# Altium PCB DM1097_R0M0E0.PcbDoc (part 6 of 7) (continued)
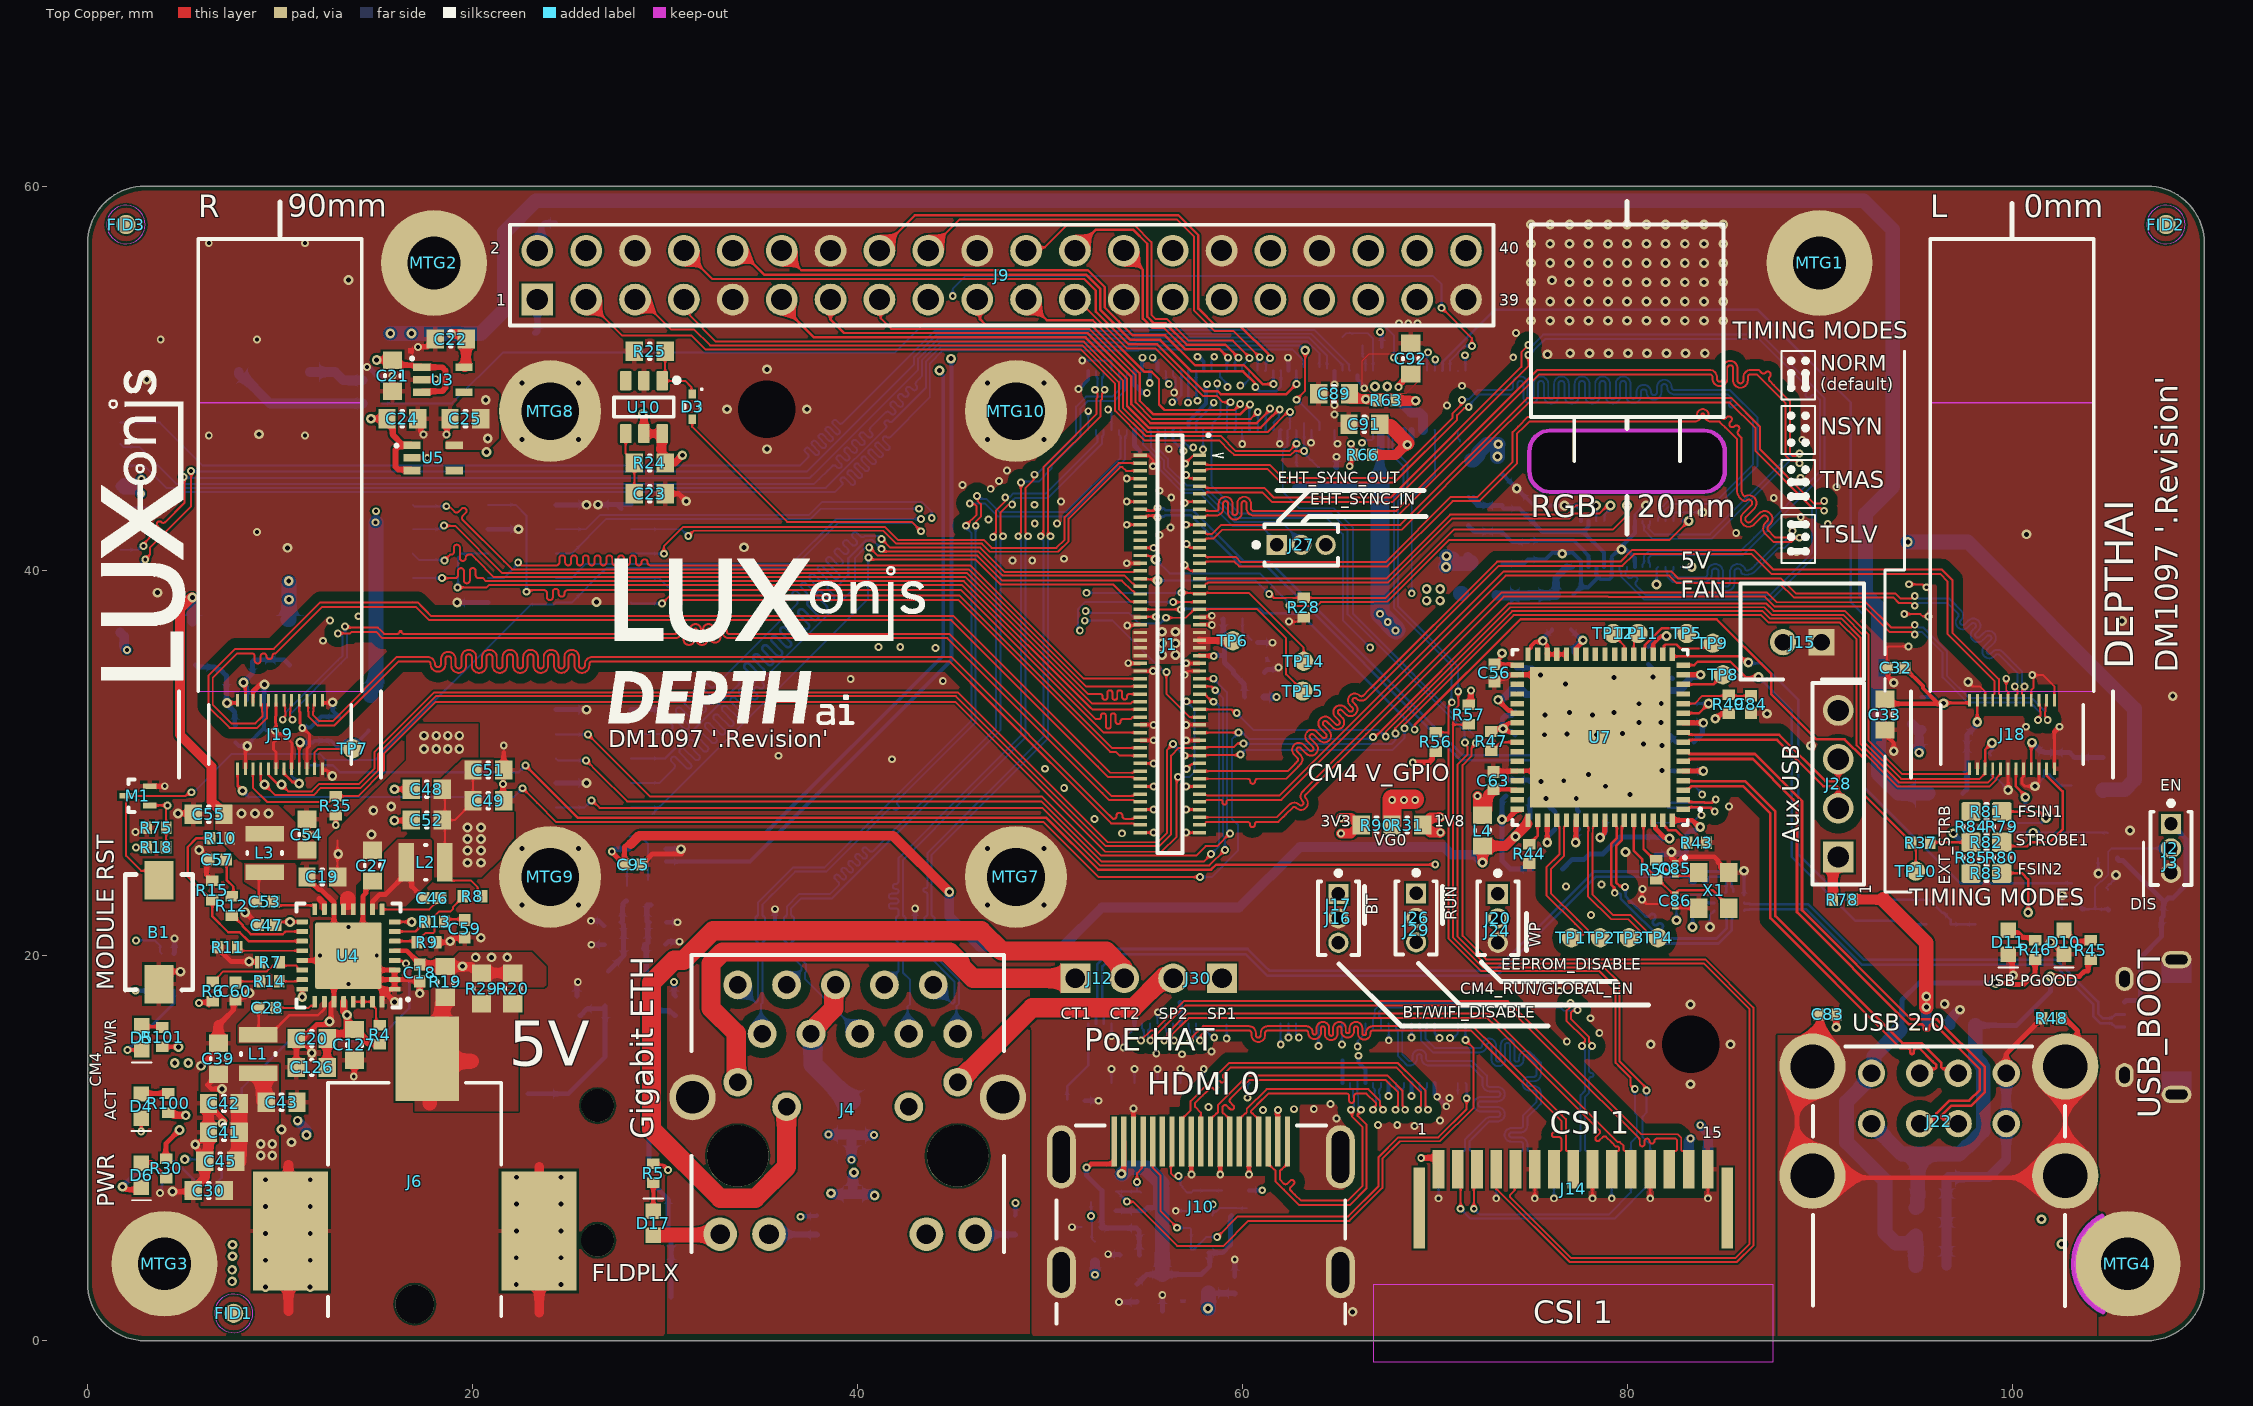
[diagram p0: Top Copper view]
## Nets (pads, with @x,y where several pads share a name; then routed paths per layer and width w, separated by ;. In a path a pad name is that pad's centre, name@x,y a point inside that pad or via, vN(x,y) a via of type N, cw(c..) or ccw(c..) an arc to the next point about the centre after c; other vN are vias at no path point) (continued)
USB_D_P: CM4.105 U6.1 | length 39.9
  Bottom Copper w0.134: CM4.105@52.8,16.48 52.8,17.2 52.73,17.27 52.73,19.456 53.365,20.091 60.173,20.091 61.297,18.967 73.243,18.967 78.394,24.119 81.982,24.119 82.73,24.119 83.11,24.119 cw(c83.11,23.962) 83.267,23.962 83.267,23.907 ccw(c83.424,23.907) 83.581,23.907 83.581,23.962 cw(c83.738,23.962) 83.895,23.962 ccw(c84.052,23.962) 84.209,23.962 cw(c84.366,23.962) 84.366,24.119 84.779,24.119 84.929,24.119 85.154,23.893 85.154,23.317 U6.1@85.109,23.272
USB_GND: C83.2 J22.Shell R48.2 | length 33.7
  Top Copper w0.254: J22.Shell@88.83,8.57 J22.Shell@89.079,8.819 ; J22.Shell@88.83,14.25 88.83,9.18 89.43,8.58 J22.Shell@89.135,8.875 ; J22.Shell@89.63,14.25 89.63,14.91 90.026,15.306 90.026,16.891 C83.2@89.962,16.955 ; J22.Shell@89.879,8.819 90.23,8.468 J22.Shell@102.872,8.468 ; R48.2@102.556,16.76 102.649,16.853 103.401,16.101 103.401,15.099 102.77,14.468 J22.Shell@102.77,14.25 J22.Shell@102.77,8.57 J22.Shell@102.872,8.468 ; J22.Shell@102.77,8.468 J22.Shell@102.872,8.468 ; J22.Shell@102.872,8.468 103.393,7.947 103.393,8.468 J22.Shell@102.872,8.468
USB_OTGID: CM4.101 R64.2 | length 4.4
  Bottom Copper w0.134: R64.2@50.902,12.548 50.902,13.208 52,14.306 CM4.101@52,16.48
USB_RX_N: J1.12
USB_RX_P: J1.10
USB_TX_N: J1.24
USB_TX_P: J1.22
USBB_D_N: J21.2 U6.4 | length 22.7
  Bottom Copper w0.134: U6.4@86.078,22.754 86.123,22.708 86.347,22.708 86.371,22.684 89.406,22.684 92.289,19.801 102.278,19.801 104.479,17.6 104.479,16.99 104.684,16.784 104.714,16.755 105.18,16.755 105.375,16.95 J21.2@105.85,16.95
USBB_D_P: J21.3 U6.5 | length 22.7
  Bottom Copper w0.134: U6.5@86.078,22.354 86.123,22.399 86.347,22.399 86.371,22.423 89.298,22.423 92.181,19.54 102.17,19.54 104.218,17.492 104.218,16.882 104.605,16.495 105.18,16.495 105.375,16.3 J21.3@105.85,16.3
USBD0_N: U6.6 U7.58 | length 12.5
  Top Copper w0.134: U7.58@79.35,27.046 79.35,26.841 79.47,26.721 79.47,26.115 79.164,25.81 79.164,23.712 79.329,23.547 79.329,23.301 v1(79.357,23.272)
  Bottom Copper w0.134: v1(79.357,23.272) 79.396,23.233 79.622,23.233 79.664,23.192 79.664,22.984 82.008,20.639 84.745,20.639 85.44,21.334 85.44,21.892 85.464,21.916 85.464,22.14 U6.6@85.509,22.185
USBD0_P: U6.7 U7.59 | length 12.5
  Top Copper w0.134: U7.59@79.85,27.046 79.85,26.841 79.73,26.721 79.73,26.007 79.425,25.702 79.425,23.82 79.631,23.614 79.857,23.614 v1(79.896,23.575)
  Bottom Copper w0.134: v1(79.896,23.575) 79.925,23.547 79.925,23.092 79.957,23.059 80.005,23.011 80.225,22.791 80.273,22.743 80.447,22.569 80.494,22.522 80.621,22.395 80.935,22.081 ccw(c81.045,22.191) 81.156,22.081 81.203,22.129 cw(c81.313,22.019) 81.424,22.129 cw(c81.313,22.019) 81.424,21.908 81.376,21.861 ccw(c81.486,21.75) 81.376,21.64 ccw(c81.486,21.75) 81.596,21.64 cw(c81.707,21.53) 81.817,21.64 cw(c81.707,21.53) 81.817,21.42 ccw(c81.927,21.31) 81.817,21.199 81.994,21.022 82.042,20.974 82.116,20.9 84.637,20.9 85.179,21.442 85.179,21.892 85.155,21.916 85.155,22.14 U6.7@85.109,22.185
USBD2_N: J1.18 U7.1 | length 38.1
  Top Copper w0.134: J1.18@54.7,42.8 54.96,42.8 55.03,42.87 v1@55.433,42.87 ; U7.1@82.91,27.606 83.115,27.606 83.235,27.725 83.888,27.725 83.926,27.687 84.34,27.687 84.523,27.505 v1(84.555,27.505)
  Bottom Copper w0.134: v1(55.6,42.776) 55.652,42.829 55.929,42.829 56,42.9 57.315,42.9 58.515,41.7 59.981,40.234 61.29,40.234 63.511,38.013 63.522,38.013 69.193,32.342 69.193,32.331 71.37,30.154 79.682,30.154 79.953,29.882 80.001,29.835 80.096,29.74 cw(c80.002,29.645) 80.109,29.564 ccw(c80.113,29.559) 80.109,29.555 80.194,29.469 ccw(c80.199,29.474) 80.203,29.469 cw(c80.284,29.362) 80.379,29.457 81.874,27.962 81.921,27.915 82.149,27.687 84.34,27.687 84.523,27.505 v1(84.555,27.505)
USBD2_P: J1.16 U7.2 | length 38.3
  Top Copper w0.134: J1.16@54.7,43.2 54.96,43.2 55.03,43.13 55.372,43.13 55.526,43.284 v1(55.6,43.284) ; U7.2@82.91,28.106 83.115,28.106 83.235,27.986 83.996,27.986 84.034,27.948 84.391,27.948 84.574,28.13 v1(84.606,28.13)
  Bottom Copper w0.134: v1(55.6,43.284) 55.652,43.232 55.929,43.232 56,43.161 57.323,43.161 57.423,43.161 58.365,42.219 60.09,40.494 61.409,40.494 69.454,32.45 69.454,32.439 71.478,30.414 79.79,30.414 82.257,27.948 84.391,27.948 84.574,28.13 v1(84.606,28.13)
USBD3_N: J22.2 U7.3 | length 23.9
  Top Copper w0.134: U7.3@82.91,28.606 83.133,28.606 83.347,28.819 85,28.819 86.01,28.819 87.443,27.386 87.443,21.953 94.199,15.197 94.331,15.197 94.582,15.197 cw(c94.582,15.063) 94.716,15.063 94.716,14.99 ccw(c94.809,14.99) 94.809,14.898 ccw(c94.809,14.99) 94.901,14.99 94.901,15.063 cw(c95.035,15.063) 95.035,15.197 95.192,15.197 95.878,14.51 96.07,14.319 96.07,14.208 95.991,14.129 95.429,14.129 J22.2@95.2,13.9
USBD3_P: J22.3 U7.4 | length 23.9
  Top Copper w0.134: U7.4@82.91,29.106 83.115,29.106 83.181,29.04 83.22,29.08 86.118,29.08 87.703,27.494 87.703,22.061 94.307,15.457 95.3,15.457 96.33,14.427 96.33,14.208 96.409,14.129 96.971,14.129 J22.3@97.2,13.9
USBD4_N: J22.6 U7.6 | length 30.9
  Top Copper w0.134: U7.6@82.91,30.106 83.115,30.106 83.235,30.225 85.623,30.225 86.532,30.225 88.629,28.129 88.827,27.931 88.827,22.269 94.656,16.439 94.935,16.439 95.289,16.439 cw(c95.289,16.305) 95.423,16.305 95.423,16.238 ccw(c95.552,16.238) 95.552,16.109 95.581,16.109 ccw(c95.581,16.238) 95.71,16.238 95.71,16.305 cw(c95.844,16.305) 95.844,16.439 95.992,16.439 96.162,16.269 98.326,14.105 98.326,13.031 97.774,12.479 96.742,12.479 96.07,11.807 96.07,11.588 95.991,11.509 95.429,11.509 J22.6@95.2,11.28
USBD4_P: J22.7 U7.7 | length 30.9
  Top Copper w0.134: U7.7@82.91,30.606 83.115,30.606 83.235,30.486 86.64,30.486 89.087,28.039 89.087,22.377 94.764,16.7 96.1,16.7 98.587,14.213 98.587,12.922 97.882,12.218 96.85,12.218 96.33,11.699 96.33,11.588 96.409,11.509 96.971,11.509 J22.7@97.2,11.28
USBD5_N: J28.2 U7.8 | length 10.2
  Top Copper w0.134: U7.8@82.91,31.106 83.115,31.106 83.235,31.225 87.786,31.225 90.201,28.811 90.892,28.811 90.971,28.732 J28.2@90.971,27.671
USBD5_P: J28.3 U7.9 | length 10.2
  Top Copper w0.134: U7.9@82.91,31.606 83.115,31.606 83.235,31.486 87.894,31.486 90.309,29.072 90.892,29.072 90.971,29.15 J28.3@90.971,30.211
VBUS: C77.2 C78.2 J1.53 R41.1 R42.2 | length 6
  Top Copper w0.254: J1.53@57.78,35.6 57.791,35.589 58.507,35.589 58.516,35.58 v1@58.522,35.585
  Bottom Copper w0.254: v1(58.522,35.579) 58.551,35.608 58.989,35.608 59.08,35.699 ; R42.2@59.012,37.516 58.97,37.474 59.012,37.432 59.012,36.454 C78.2@59.195,36.271 ; C78.2@59.188,36.265 59.08,36.157 59.08,35.699 ; R41.1@60.13,33.452 60.105,33.477 60.105,34.117 59.55,34.672 C77.2@59.55,34.722 59.55,34.772 59.08,35.242 59.08,35.699
VBUS_USB3: C79.1 C80.1 J22.1 R46.2 U8.8 | length 25.6
  Top Copper w0.254: v2(99.15,18.579) 99.786,18.579 99.861,18.505 100.602,18.505 101.2,19.103 R46.2@101.2,19.807
  Bottom Copper w0.254: U8.8@94.276,16.382 94.276,17.701 95.154,18.579 v2(99.15,18.579)
  Bottom Copper w0.762: U8.8@94.183,16.143 92.826,14.786 92.826,14.026 J22.1@92.7,13.9 92.7,13.722 91.4,12.422 91.4,10.3 93.4,8.3 93.4,5.616 93.955,5.061 94.611,5.061 95,5.45 C80.1@95,5.4 C79.1@95,3.9
VBUS_USB4: C81.1 C82.1 J22.5 R45.2 U8.5 | length 23.6
  Top Copper w0.254: v2(101.995,18.929) 103.497,18.929 103.768,19.2 103.952,19.2 103.952,19.652 R45.2@104.1,19.8
  Bottom Copper w0.254: U8.5@98.086,16.382 100.236,16.382 101.995,18.142 v2(101.995,18.929)
  Bottom Copper w0.762: J22.5@92.7,11.28 94.28,9.7 95.11,9.7 ; C81.1@95,6.9 95.069,6.969 95.069,7.38 95.11,7.421 95.11,8.4 95.11,9.7 ; U8.5@98.086,16.382 98.086,14.7 98.393,14.394 98.393,14.328 98.507,14.213 98.507,10.901 97.694,10.087 97.647,10.087 97.26,9.7 95.11,9.7
VBUSB: J2.1 J21.1 Q6.1 R39.2 | length 14.7
  Bottom Copper w0.254: Q6.1@105.477,25.08 Q6.1@105.477,25.075 105.477,25.025 105.55,24.952 105.761,24.952 107.861,22.853 107.861,22.761 ; J21.1@105.85,17.6 105.921,17.671 106.536,17.671 106.685,17.82 106.685,19.941 106.714,19.941 107.761,20.988 R39.2@107.761,21.963 ; R39.2@107.861,22.038 107.861,22.761 ; J2.1@108.261,26.853 109.036,26.078 109.036,23.678 108.358,23 108.1,23 107.861,22.761
VDD18CORE: C72.2 C73.2 C74.2 U7.15 U7.38 | length 13.7
  Top Copper w0.254: v2(73.3,33.3) 73.3,33.287 73.85,32.737 73.954,32.737 74.085,32.606 U7.38@74.29,32.606 ; U7.15@82.91,34.606 v2(83.822,34.606)
  Bottom Copper w0.381: v2(73.3,33.3) 73.324,33.324 73.52,33.324 C73.2@74.256,34.06 74.739,33.577 78.251,33.577 78.461,33.787 82.77,33.787 82.952,33.969 82.952,34.102 83.37,34.519 83.702,34.519 83.788,34.606 v2(83.822,34.606)
VDD18ETHPLL: C75.2 L5.1 U7.48 | length 6.2
  Top Copper w0.254: v2(73.5,27.081) 73.765,27.081 U7.48@74.29,27.606
  Bottom Copper w0.254: C75.2@73.705,28.316 73.5,28.111 v2(73.5,27.081) 73.5,24.93 73.92,24.51 L5.1@75.05,24.51
VDD18USBPLL: C76.2 L5.2 U7.62 | length 7.7
  Top Copper w0.254: U7.62@81.35,27.046 81.35,26.841 81.481,26.709 81.481,26.606 81.939,26.148 82.151,26.148 v2(82.2,26.1)
  Bottom Copper w0.254: L5.2@76.65,24.51 77.15,25.01 77.775,25.01 78.065,25.3 78.748,25.3 79.623,26.175 C76.2@81.49,26.175 81.527,26.137 82.162,26.137 v2(82.2,26.1)
VDD_5V: C9.2 C10.2 C18.1 C19.1 C20.1 C21.2 C24.2 C27.1 C92.1 C126.1 C127.1 CM4.77 CM4.79 CM4.81 CM4.83 CM4.85 CM4.87 J1.47 J1.48 J1.49 J1.50 J1.51 J1.52 J1.54 J9.2 J9.4 J15.P2 R4.2 R19.1 R20.1 R24.2 R29.1 R30.2 R41.2 R78.2 TP6.1 U1.3 U3.1 U3.3 U4.5 U4.12 U4.13 U4.28 U5.1 U5.3 U8.7 U10.5 U10.6 | length 109.4
  Top Copper w0.102: 12.98,25.994 12.98,24.12 C19.1@13,24.1 ; U4.13@13.305,22.412 13.305,23.056 13.459,23.211 ; 13.797,23.193 13.805,23.185 U4.12@13.805,22.412 13.814,22.421 13.814,22.961 13.823,22.969
  Top Copper w0.254: R30.2@4.1,9.45 4.068,9.482 4.068,10.24 v2(4.775,10.947) ; U4.5@15.955,20.262 15.957,20.26 16.585,20.26 17.08,19.765 17.08,19.742 C18.1@17.263,19.559
  Top Copper w0.3: v2(14.732,47.904) C24.2@15.558,47.904 15.858,47.604 15.858,47.076 16.362,46.572 16.808,46.572 U5.1@16.858,46.522 16.808,46.472 16.178,46.472 16.002,46.297 16.002,45.415 16.145,45.272 16.808,45.272 U5.3@16.858,45.222 ; v2(15.024,50.965) C21.2@15.85,50.965 ; C21.2@15.85,50.94 16.09,50.7 16.596,50.7 16.609,50.686 16.89,50.686 16.94,50.636 17.316,50.636 U3.1@17.366,50.586 18.427,50.586 18.602,50.411 18.602,49.512 18.427,49.336 17.416,49.336 U3.3@17.366,49.286 ; v1(68.123,49.555) 68.143,49.576 68.143,49.664 68.708,50.229 C92.1@68.758,50.229
  Top Copper w0.381: C126.1@12.45,14.2 C20.1@12.45,15.699 12.701,15.949 13.49,15.949 13.49,16.934 13.305,17.119 U4.28@13.305,17.612 ; C127.1@13.868,16.192 13.918,16.192 14.178,15.933 14.178,15.883 14.58,15.481 15.101,15.481 R4.2@15.164,15.418 ; v2@28.912,48.209 U10.5@28.912,47.134 U10.6@29.862,47.134 ; 29.738,46.288 29.753,46.303 29.753,47.025 U10.6@29.862,47.134 ; v2(30.907,46.009) 30.507,45.609 R24.2@30.012,45.609 29.862,45.759 U10.6@29.862,47.134 ; J1.49@57.78,36.4 57.794,36.386 59.6,36.386 TP6.1@59.715,36.271
  Top Copper w0.5: C18.1@17.263,19.559 17.323,19.499 18.575,19.499 R19.1@18.675,19.4 ; R19.1@18.791,19.431 19.93,19.431 20.06,19.301 20.272,19.301 R29.1@20.472,19.101 ; R29.1@20.472,19.111 R20.1@21.834,19.111 ; R20.1@22.098,19.101 22.129,19.101 R20.1@22.144,19.085
  Top Copper w0.508: R78.2@91.69,22.924 93.307,22.924
  Top Copper w0.762: 93.307,22.924 95.546,20.684 v2(95.546,17.33)
  Top Copper w0.8: 13.513,22.784 13.513,22.962
  PWR w0.762: v2@7.506,4.987 7.506,2.781 8.941,1.346 13.686,1.346 15.837,3.498 19.058,3.498 21.282,1.273 58.216,1.273 58.216,1.973
  Bottom Copper w0.3: J9.2@23.368,56.642 23.576,56.85 23.576,57.889 23.752,58.064 C9.2@24.308,58.064 ; U1.3@58.248,2.489 58.27,2.467 59.592,2.467 C10.2@59.614,2.446
  Bottom Copper w0.381: R41.2@61.13,33.452 v1(61.773,33.452)
  Bottom Copper w0.508: U8.7@95.546,16.382 v2(95.546,17.888)
  Bottom Copper w0.762: v2@58.248,1.668 U1.3@58.248,2.489
  other v2: 58.216,1.668 7.516,3.084 7.516,3.684 7.531,4.387 7.531,4.987 13.476,16.93 19.478,19.457 20.168,19.921 20.988,19.921 21.808,19.921 13.029,25.286 14.755,26.297 14.85,27.545 15.78,27.766 17.48,30.739 18.118,30.739 18.718,30.739 19.318,30.739 17.48,31.439 18.118,31.439 18.718,31.439 19.318,31.439 55.829,35.636 56.529,35.636 55.829,36.236 56.529,36.236 55.829,36.836 56.529,36.836 28.852,48.168 66.9,49.581 67.539,49.581
XI: C85.2 R50.1 U7.61 X1.1 | length 5.2
  Top Copper w0.127: U7.61@80.85,27.046 80.85,25.553 81.431,24.972 R50.1@81.504,24.972 81.531,24.972 82.195,24.308 82.392,24.308 C85.2@82.532,24.168 ; C85.2@82.5,24.2 C85.2@82.532,24.168 ; X1.1@83.839,24.298 83.709,24.168 C85.2@82.532,24.168
XO: C86.2 R50.2 U7.60 X1.3 | length 8.2
  Top Copper w0.127: U7.60@80.35,27.046 80.35,25.453 80.775,25.028 80.775,24.818 R50.2@81.588,24.005 ; R50.2@81.504,23.972 81.554,23.972 R50.2@81.588,24.005 ; X1.3@85.139,22.498 84.887,22.75 84.887,22.963 84.435,23.415 82.695,23.415 82.5,23.22 82.5,23.2 82.447,23.147 R50.2@81.588,24.005
pads on no net: CM4.64 CM4.68 CM4.70 CM4.72 CM4.94 CM4.96 CM4.100 CM4.102 CM4.104 CM4.106 CM4.109 CM4.110 CM4.112 CM4.116 CM4.118 CM4.122 CM4.124 CM4.128 CM4.130 CM4.133 CM4.134 CM4.135 CM4.136 CM4.139 CM4.140 CM4.141 CM4.142 CM4.143 CM4.145 CM4.146 CM4.147 CM4.148 CM4.149 CM4.152 CM4.154 CM4.157 CM4.158 CM4.159 CM4.160 CM4.163 CM4.164 CM4.165 CM4.166 CM4.169 CM4.171 CM4.193 CM4.194 CM4.195 CM4.196 FID1.1 FID2.1 FID3.1 FID4.1 FID5.1 FID6.1 J4. J6. J9.27 J9.28 J10.14 J11.16 J11.21 J11.22 J13.S1 J13.S2 J14.S1 J14.S2 J21.4 J25. J25.1 J27.3 U2.1@56.6,8.25 U3.4 U5.4 U7.13 U7.23 U7.24 U7.25 U7.26 U7.31 U7.35 U7.36 U7.37 U7.42 U7.43 U7.45 U7.47 U10.3 U11.1

## Polygon pours and split planes (outlines as drawn)
GND on Top Copper "GND_L01_P810" (solid, pour order 810): 0,0.5 ccw(c0.5,0.5) 0.5,0 109.5,0 ccw(c109.5,0.5) 110,0.5 110,59.5 ccw(c109.5,59.5) 109.5,60 0.5,60 ccw(c0.5,59.5) 0,59.5
ETH_GND on Top Copper "ETH_GND_L01_P768" (solid, remove dead copper, pour order 768): 30.112,20.155 48.948,20.155 48.948,0.357 30.112,0.357
VDD_5V on Top Copper "VDD_5V_L01_P807" (solid, remove dead copper, pour order 807): 13.18,22.143 13.93,22.143 13.93,23.665 20.3,30.035 20.3,32.057 16.557,32.057 16.557,30.152 12.53,26.126 12.53,23.74 13.18,23.09
1V05 on Top Copper "1V05_L01_P806" (solid, remove dead copper, pour order 806): 19.46,30.199 17.839,28.637 17.839,24.079 20.471,24.079 22.155,25.763 22.155,30.199
1V8 on Top Copper "1V8_L01_P775" (solid, remove dead copper, pour order 775): 11.853,24.991 7.906,24.991 6.645,26.252 6.645,27.858 9.887,27.858 11.853,25.891
LX2 on Top Copper "LX2_L01_P774" (solid, remove dead copper, pour order 774): 14.68,22.412 14.68,24.633 16.107,26.06 17.898,26.06 17.898,23.94 16.37,22.412
LX3 on Top Copper "LX3_L01_P772" (solid, remove dead copper, pour order 772): 12.43,22.412 12.43,23.182 10.815,24.798 8.143,24.798 8.143,23.838 10.483,22.412
LX1 on Top Copper "LX1_L01_P771" (solid, remove dead copper, pour order 771): 12.43,17.612 12.43,16.543 11.331,15.444 7.812,15.444 7.812,16.404 8.706,17.297 11.865,17.297 12.18,17.612
VDD_5V on Top Copper "VDD_5V_L01_P770" (solid, pour order 770): 54.28,37.211 58.344,37.211 58.344,35.687 57.277,35.687 56.769,35.179 54.28,35.179
USB_GND on Top Copper "USB_GND_L01_P767" (solid, remove dead copper, pour order 767): 87.818,15.875 104.408,15.875 104.408,0.073 87.935,0.073 87.818,0.19
3V3 on Top Copper "3V3_L01_P766" (solid, remove dead copper, pour order 766): 6.355,14.354 9.932,14.354 9.932,7 5.885,7 5.885,13.883
2V8 on Top Copper "2V8_L01_P765" (solid, pour order 765): 18.593,46.38 18.669,46.304 20.777,46.304 21.361,46.888 21.361,49.174 21.082,49.454 19.978,49.454 18.559,48.035
VDD_5V on Top Copper "VDD_5V_L01_P827" (solid, pour order 827): 68.832,51.283 69.258,50.856 69.258,49.956 68.496,49.195 66.731,49.195 66.243,49.682 66.243,50.927 66.599,51.283 67.361,51.283
no net on Top Copper "NONET_L01_P824" (solid, pour order 824): 53.518,49.69
VDD_5V on Top Copper "VDD_5V_L01_P769" (solid, pour order 769): 18.524,19.385 19.317,20.178 23.089,20.178 23.825,19.441 23.825,18.481 23.706,18.362 18.654,18.362 18.524,18.491
no net on Top Copper "NONET_L01_P822" (solid, pour order 822): 59.08,36.043
no net on Top Copper "NONET_L01_P821" (solid, pour order 821): 58.649,36.805
5V_IN on Top Copper "5V_IN_L01_P808" (solid, remove dead copper, pour order 808): 17,16.535 17.831,16.535 17.831,18.339 22.372,18.288 22.372,11.925 17,11.925
GND on GND 2 "GND_L05_P793" (solid, remove dead copper, pour order 793): 0,0.5 ccw(c0.5,0.5) 0.5,0 109.5,0 ccw(c109.5,0.5) 110,0.5 110,59.5 ccw(c109.5,59.5) 109.5,60 0.5,60 ccw(c0.5,59.5) 0,59.5
ETH_GND on GND 2 "ETH_GND_L05_P792" (solid, remove dead copper, pour order 792): 30.094,20.198 49.119,20.198 49.119,0.401 30.094,0.401
USB_GND on GND 2 "USB_GND_L05_P791" (solid, remove dead copper, pour order 791): 87.114,15.996 104.846,15.996 104.846,0.193 87.231,0.193 87.114,0.311
GND on Bottom Copper "GND_L06_P802" (solid, remove dead copper, pour order 802): 0,0.5 ccw(c0.5,0.5) 0.5,0 109.5,0 ccw(c109.5,0.5) 110,0.5 110,59.5 ccw(c109.5,59.5) 109.5,60 0.5,60 ccw(c0.5,59.5) 0,59.5
VDD_5V on Bottom Copper "VDD_5V_L06_P801" (solid, remove dead copper, pour order 801): 66.5,50.75 66.5,49.301 68.91,49.301 69.469,49.86 69.469,50.75
ETH_GND on Bottom Copper "ETH_GND_L06_P797" (solid, remove dead copper, pour order 797): 30.185,20.114 49.108,20.114 49.108,0.316 30.185,0.316
1V05 on Bottom Copper "1V05_L06_P799" (solid, pour order 799): 69.444,39.792 68.783,39.131 68.783,37.714 69.908,36.589 72.172,36.589 72.624,37.041 72.624,39.54 72.324,39.84 72.276,39.792
USB_GND on Bottom Copper "USB_GND_L06_P796" (solid, remove dead copper, pour order 796): 87.105,15.985 104.877,15.985 104.877,0.183 87.222,0.183 87.105,0.3
1V8 on Bottom Copper "1V8_L06_P798" (solid, pour order 798): 69.908,41.852 69.441,41.384 69.441,39.908 69.708,39.642 72.847,39.642 73.119,39.914 73.119,41.707 72.974,41.852
no net on Bottom Copper "NONET_L06_P818" (solid, remove dead copper, pour order 818): 5.038,15.796 5.038,14.771 6.018,14.771 6.018,15.796 6.018,22.671 5.718,22.971 5.718,23.996 4.738,23.996 4.738,16.096
CM_1V8 on Bottom Copper "CM_1V8_L06_P805" (solid, remove dead copper, pour order 805): 8.938,23.996 8.938,17.121 9.238,16.821 9.238,14.771 10.218,14.771 10.218,22.671 9.918,22.971 9.918,23.996
CM_3V3 on Bottom Copper "CM_3V3_L06_P819" (solid, remove dead copper, pour order 819): 6.538,24.056 6.598,23.996 8.118,23.996 8.118,17.29 7.818,16.99 7.818,14.771 6.838,14.771 6.838,16.99 6.538,17.29
GND on Signal Layer 1 "GND_L04_P790" (solid, remove dead copper, pour order 790): 0,0.5 ccw(c0.5,0.5) 0.5,0 109.5,0 ccw(c109.5,0.5) 110,0.5 110,59.5 ccw(c109.5,59.5) 109.5,60 0.5,60 ccw(c0.5,59.5) 0,59.5
3V3 on Signal Layer 1 "3V3_L04_P789" (solid, remove dead copper, pour order 789): 77.108,43.049 73.367,52.921 64.498,52.921 63.099,51.248 60.274,42.715 64.729,42.779 64.729,7.429 70.269,1.89 70.279,1.9 87.427,1.9 87.427,34.493
VDD_5V on Signal Layer 1 "VDD_5V_L04_P788" (solid, remove dead copper, pour order 788): 10.346,32.164 22.029,32.164 22.019,16.821 22.019,2.54 4,2.54 4,25.246
3V3_VDDA on Signal Layer 1 "3V3_VDDA_L04_P787" (solid, remove dead copper, pour order 787): 84.236,33.001 84.236,23.516 80.68,18.579 73.555,18.742 72,20.297 72,26.625 78.376,33.001
3V3 on Signal Layer 1 "3V3_L04_P786" (solid, remove dead copper, pour order 786): 1.2,44.735 2.2,45.674 4.936,45.716 6.299,44.353 6.292,13.152 4.522,11.242 4.09,10.885 4.472,9.915 4.884,9.679 6.698,9.956 7.363,11.163 9.342,11.163 10.13,10.376 10.129,9.237 6.962,6.07 1.93,6.07 1.2,6.8
no net on Signal Layer 1 "NONET_L04_P825" (solid, pour order 825): 15.85,47.777
no net on Signal Layer 1 "NONET_L04_P804" (solid, pour order 804): 67.285,51.511
GND on PWR "GND_L03_P820" (solid, remove dead copper, pour order 820): 0,0.5 ccw(c0.5,0.5) 0.5,0 109.5,0 ccw(c109.5,0.5) 110,0.5 110,59.5 ccw(c109.5,59.5) 109.5,60 0.5,60 ccw(c0.5,59.5) 0,59.5
VDD_5V on PWR "VDD_5V_L03_P817" (solid, remove dead copper, pour order 817): 12.071,30.027 12.071,57.9 108.025,57.9 108.025,14.5 87.61,14.5 87.61,29.748
3V3 on PWR "3V3_L03_P816" (solid, remove dead copper, pour order 816): 19.834,18.593 21.379,20.137 24.428,20.137 24.428,18.608 60.265,18.731 70.009,37.135 85.369,37.135 85.369,1.5 12.347,1.5 4.413,9.434 4.413,18.54
1V8 on PWR "1V8_L03_P781" (solid, pour order 781): 4.928,39.878 6.02,39.878 6.756,39.141 6.756,30.912 10.185,27.483 10.185,25.044 4.216,19.075 4.216,11.31 4.96,10.566 7.798,10.566 9.5,12.268 11.481,12.268 12.7,11.049 12.7,10.668 12.011,9.979 10.24,9.979 9.601,10.617 8.89,10.617 8.28,10.008 8.28,8.867 11.112,6.035 20.01,6.035 21.603,4.443 47.28,4.532 48.311,5.563 80.67,5.563 84.582,9.474 84.582,22.414 93.654,31.486 95.311,31.486 96.19,30.607 96.19,26.187 93.497,23.495 89.507,23.495 87.376,21.364 87.376,3.507 85.369,1.5 85.193,1.676 12.17,1.676 3,10.847 3,37.95
GPIO0-27_VREF on PWR "GPIO0-27_VREF_L03_P815" (solid, remove dead copper, pour order 815): 55,22 56.7,20.3 58.8,20.3 59.6,19.5 61,19.5 61,19 60.8,18.8 59.3,18.8 55.7,15.2 56.2,14.7 61.7,14.7 63.1,16.1 63,16.2 63,22.5 55,22.5
no net on PWR "NONET_L03_P782" (solid, remove dead copper, pour order 782): 61,19.5 61,19 60.7,18.7 60.1,18.7 58.2,16.8 52.5,16.8 52.5,22 55,22 56.7,20.3 58.8,20.3 59.6,19.5
CM_3V3 on PWR "CM_3V3_L03_P777" (solid, pour order 777): 40.615,58.395 41.377,57.633 41.377,53.645 42.393,52.629 45.593,52.629 46.507,53.543 46.507,57.252 47.676,58.42
1V05 on PWR "1V05_L03_P778" (solid, pour order 778): 69.893,39.766 69.081,39.766 66.937,37.622 66.937,34.524 64.529,32.116 64.465,32.179 22.174,32.179 19.093,29.098 19.093,23.985 19.721,23.358 21.651,23.358 22.174,23.881 22.174,26.121 25.194,29.141 66.835,29.141 69.306,31.613 69.306,36.665 70.947,38.306 70.947,39.588 70.919,39.588 70.739,39.769
1V8 on PWR "1V8_L03_P780" (solid, pour order 780): 85.039,22.174 84.988,22.174 81.407,25.756 70.282,25.756 69.52,26.518 69.52,27.229 70.256,27.965 82.601,27.965 86.716,23.851
no net on PWR "NONET_L03_P823" (solid, pour order 823): 5.842,40.056
GND on GND 1 "GND_L02_P776" (solid, remove dead copper, pour order 776): 0,0.5 ccw(c0.5,0.5) 0.5,0 109.5,0 ccw(c109.5,0.5) 110,0.5 110,59.5 ccw(c109.5,59.5) 109.5,60 0.5,60 ccw(c0.5,59.5) 0,59.5

## Keep-outs
Top Copper:
  lines w0.254: 104.672,6.484 ccw(c106,4) 104.725,1.488
GND 2:
  lines w0.254: 105.057,5.764 ccw(c106,4) 105.095,2.217
Bottom Copper:
  lines w0.254: 105.153,6.686 ccw(c106,4) 105.256,1.283

## Other copper
Bottom Copper:
  region net GPIO13/AUD_L: 28.245,27.178
  pour cut-out: 108.531,66.26

## Silkscreen, mask and mechanical layers (free items; w line width, h text height)
Top Overlay:
  drawing of 95 lines, arcs and shapes, not listed
  text "90mm" at 10.394,58.015 h2
  text "R" at 5.75,58 h2
  text "L" at 95.75,58 h2
  text "0mm" at 100.6,58 h2
  text "TIMING MODES" at 85.483,51.765 h1.5
  text "NORM" at 90.032,50.117 h1.4
  text "(default)" at 90.032,49.167 h1.1
  text "NSYN" at 90.045,46.792 h1.5
  text "EHT_SYNC_OUT" at 61.836,44.336 h1
  text "TMAS" at 90.045,44.017 h1.5
  text "EHT_SYNC_IN" at 63.538,43.218 h1
  text "RGB" at 75,42.403 h2
  text "20mm" at 80.5,42.403 h2
  text "TSLV" at 90.07,41.167 h1.5
  text "5V  / FAN" at 82.779,38.316 h1.5
  text "DEPTHAI" at 106.8,34.9 h2.54 r90
  text "DM1097 '.Revision'" at 109,34.7 h2 r90
  text "DM1097 '.Revision'" at 27.055,30.561 h1.5
  text "CM4 V_GPIO" at 63.398,28.778 h1.5
  text "EN" at 107.696,28.372 h1
  text "FSIN1" at 100.3,27 h1
  text "3V3" at 64.084,26.492 h1
  text "1V8" at 69.977,26.492 h1
  text "Aux USB" at 89.226,25.882 h1.5 r90
  text "VG0" at 66.853,25.502 h1
  text "STROBE1" at 100.2,25.5 h1
  text "FSIN2" at 100.3,24 h1
  text "EXT_STRB" at 97,23.7 h1 r90
  text "TIMING MODES" at 94.668,22.322 h1.5
  text "DIS" at 106.147,22.174 h1
  text "BT" at 67.259,22.123 h1 r90
  text "RUN" at 71.359,21.844 h1 r90
  text "WP" at 75.717,20.447 h1 r90
  text "EEPROM_DISABLE" at 73.457,19.075 h1
  text "MODULE RST" at 1.676,18.212 h1.52 r90
  text "USB PGOOD" at 98.5,18.2 h1
  text "CM4_RUN/GLOBAL_EN" at 71.323,17.805 h1
  text "BT/WIFI_DISABLE" at 68.351,16.586 h1
  text "CT1" at 50.571,16.485 h1
  text "CT2" at 53.111,16.485 h1
  text "SP2" at 55.651,16.485 h1
  text "SP1" at 58.191,16.485 h1
  text "USB 2.0" at 91.7,15.8 h1.52
  text "PWR" at 1.702,14.834 h1 r90
  text "PoE HAT" at 51.791,14.681 h2
  text "5V" at 21.887,13.508 h4
  text "CM4" at 0.914,13.208 h1 r90
  text "HDMI 0" at 55.067,12.395 h2
  text "USB_BOOT" at 108.082,11.549 h2 r90
  text "ACT" at 1.702,11.455 h1 r90
  text "Gigabit ETH" at 29.794,10.465 h2 r90
  text "CSI 1" at 75.984,10.358 h2
  text "PWR" at 1.702,6.934 h1.52 r90
  text "FLDPLX" at 26.213,2.769 h1.52
  text "CSI 1" at 75.133,0.508 h2
Bottom Overlay:
  drawing of 17 lines, arcs and shapes, not listed
  text "Pb" at 101.99,53.339 h5.5
  text "uSD card" at 10.973,53.338 h2
  text "Used only for CM4 Lite" at 12.065,52.207 h1
  text "RoHS" at 101.772,50.435 h2
  text "SPI" at 20.478,44.372 h2
  text "AUX IO" at 29.743,44.372 h2
  text "DM1097 '.Revision'" at 107.9,35.6 h1.5
  text "3.3V SD" at 29.185,33.933 h2
  text "DSI 1" at 78.816,10.363 h2
  text "AUDIO" at 21.869,7.798 h2
  text "DSI 1" at 78.816,0.49 h2
Board:
  lines w0.025: 0,3 ccw(c3,3) 3,0 107,0 ccw(c107,3) 110,3 110,57 ccw(c107,57) 107,60 3,60 ccw(c3,57) 0,57 0,3
Top Assembly:
  lines w0.1: 21.09,21.209 61.09,21.209 61.09,51.209 21.09,51.209 21.09,21.209
  text "Camera Module:  / A12N02A-201-0JG" at 71.4,48.3 h1.25
  text "Camera Module / TG161B or AN01V32-0JG" at 10.785,33 h1.25 r90
  text "Luxonis / BW1099 Module" at 33.9,32.8 h1
  text "Camera Module / TG161B or AN01V32-0JG" at 100.929,32.567 h1.25 r90
Bottom Assembly:
  text "Raspberry PI  / Compute Module" at 63.525,29.235 h2
Top Courtyard:
  region: 15.545,47.981